# KiCad board HW.ACIM-PSU.kicad_pcb (continued)
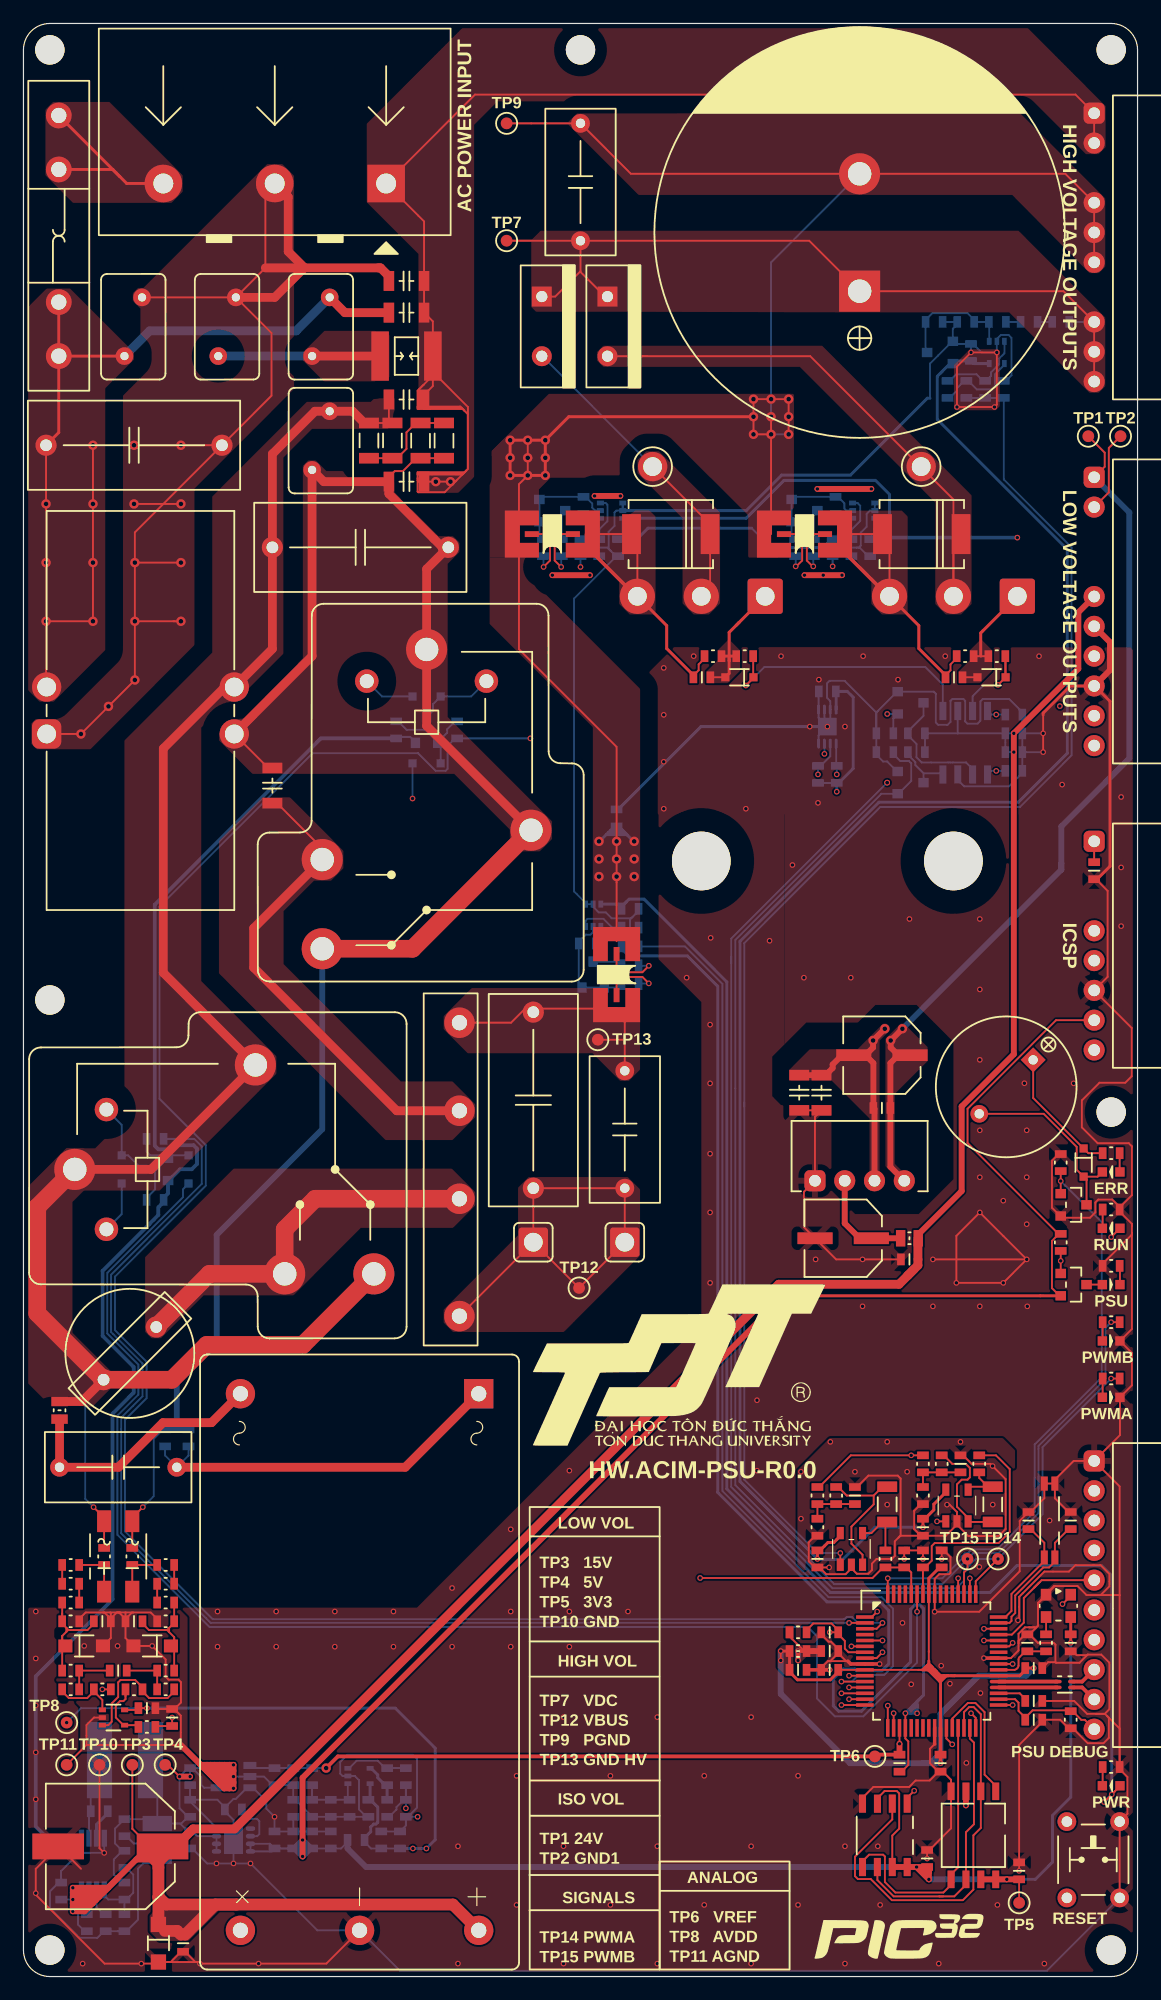
[diagram p0: board, top side]
## Routing (per net, layer and track width the routed paths; a pad name or vN(x,y) marks a point on that pad's centre or on a via; arc(x,y) is an arc through that point) (continued)
Net-(D12-COM): length 5.9
  Bottom w0.16: U7.4 48.4,124.24 48.03,124.62 C47.1 ; R34.1 45.9,124.6 D12.3 46.48,124.62 C47.1 ; C47.1 47.83,124.69
Net-(D13-A1): length 9.7
  Bottom w0.16: 47.35,88.19 C48.2 ; C48.2 47.35,88.17 47.95,88.77 48.35,88.77 48.58,88.99 U8.5 ; C48.2 47.35,84.54 D13.2 47.63,84.27 D13.1 50.7,84.27 R35.1
Net-(D13-COM): length 5.9
  Bottom w0.16: U8.4 49.23,88.64 48.8,88.22 C48.1 ; C48.1 48.73,88.09 ; C48.1 48.8,86.69 D13.3 50.7,86.47 R36.1
Net-(D16-A1): length 9.5
  Bottom w0.16: R55.1 65.5,122.77 D16.1 65.5,125.84 D16.2 65.72,126.07 C60.2 69.45,126.07 70,125.52 70,125.07 70.18,124.89 U10.5
Net-(D16-COM): length 5.9
  Bottom w0.16: U10.4 69.88,124.24 69.5,124.62 C60.1 ; 69.33,124.69 C60.1 ; C60.1 67.98,124.62 D16.3 67.4,124.6 R56.1
Net-(D17-COM): length 10.5
  Bottom w0.16: U11.1 82.35,140.95 R65.2 R66.1 81.08,141.15 80.5,141.72 77.5,141.72 76.93,141.15 C66.1 76.93,138.5 D17.3
Net-(D18-PadK): length 1.6
  Top w0.16: R77.2 93.5,60.53 D18.K
Net-(D20-PadA): length 1.6
  Top w0.16: D20.A 93.47,68.58 R78.1
Net-(D21-PadK): length 1.6
  Top w0.16: R80.1 92.02,63.78 D21.K
Net-(D22-PadK): length 1.6
  Top w0.16: D22.K 92.02,16.28 R81.1
Net-(D23-PadA): length 1.6
  Top w0.16: R84.1 92.02,49.38 D23.A
Net-(D24-PadA): length 1.6
  Top w0.16: R85.1 92.03,54.18 D24.A
Net-(F1-Pad1): length 16.8
  Top w0.25: 8.22,153.36 F1.1 ; 8.22,153.36 7.61,153.96 F1.1 ; 8.22,153.36 8.81,152.77 J1.3
Net-(G1-Pad2): length 13.8
  Top w0.75: G1.2 M3.1
  Bottom w0.75: M3.1 M2.1
Net-(MD1-ACL): length 22.1
  Top w0.75: MD1.2 16.04,47.19 11.9,47.19 8.1,43.39 C1.2 L1.2
Net-(MD1-ACN): length 32.7
  Top w0.75: C1.1 32.56,43.39 MD1.1
  Bottom w0.16: R1.1 12.08,44.39 C1.1 14.08,44.39 R2.1
Net-(MD2-VI+): length 8.9
  Top w0.16: C10.+ 71.3,62.9
  Top w0.5: MD2.2 70.03,64.17 71.3,62.9 ; L2.2 C10.+
Net-(Q1-D): length 6.7
  Bottom w0.16: Q1.3 34.93,107.87 34.93,108.42 D3.A 38.18,109.07 RL1.1
Net-(Q1-G): length 8.7
  Bottom w0.16: R10.2 36.8,106.94 36.13,106.27 36.13,105.97 35.33,105.17 ; 35.33,105.17 Q1.1 35.58,104.87 D2.A ; 35.33,105.17 34.28,106.22 32.68,106.22 31.95,106.94 R11.1
Net-(Q2-D): length 6.7
  Bottom w0.16: Q2.3 8.93,69.97 D5.A 8.38,72.57 RL2.1
Net-(Q2-G): length 9.3
  Bottom w0.16: D4.A 12.58,69.97 Q2.1 12.28,69.72 ; 12.28,69.72 12.01,69.98 10.8,69.98 10.5,70.28 R12.2 ; 12.28,69.72 11.23,68.67 11.23,67.07 10.5,66.34 R13.1
Net-(Q3-D): length 26.7
  Top w0.16: Q3.2 58.55,118.34 D7.K 58.55,123.74 J9.1 ; D8.A 44.24,138.05
  Bottom w0.16: 44.24,138.05 J9.1
Net-(Q3-G): length 11.6
  Top w0.16: C36.2 D6.A
  Top w0.25: 61.01,115.36 Q3.1 ; 61.01,115.36 60.78,115.12 ; 61.01,115.36 60.18,114.52 60.18,112.09 ; 60.18,112.09 60.18,112.49 ; 60.18,112.09 60.18,111.02 D6.A ; 60.18,112.49 R18.1 ; 60.18,112.49 R17.1
Net-(Q3-S): length 36.6
  Top w0.16: Q3.3 52.35,122.39 D7.A R19.2 ; Q3.3 47.95,121.99 R19.2 ; Q3.3 52.15,117.59 47.95,121.79 R19.2 ; C36.1 57.13,110.84 57.58,111.29 57.58,111.79 58.08,112.29 R18.2 ; R19.2 47.95,124.64
  Top w0.25: C36.1 57.13,110.87 54.85,113.14 54.85,115.09 Q3.3
Net-(Q4-D): length 11.2
  Bottom w0.16: Q4.3 76.75,107.42 75.43,106.09 R21.2 75.43,105.74 76.15,105.02 76.15,103.87 76.58,103.44 80.38,103.44 80.94,102.88 U5.2
Net-(Q5-D): length 4.8
  Bottom w0.16: R23.2 75.43,104.09 76.05,103.47 76.05,103.22 76.75,102.52 ; U5.4 78.3,102.52 76.75,102.52 ; 76.75,102.52 Q5.3
Net-(Q6-D): length 48.8
  Top w0.16: D10.K 79.3,122.25 Q6.2 79.3,125.84 67.09,138.05 52.8,138.05 ; 52.8,138.05 D11.A ; 52.8,138.05 53.22,138.05
Net-(Q6-G): length 8.9
  Top w0.16: R25.1 R27.1 ; D9.A C40.2
  Top w0.25: Q6.1 81.63,114.47 81.63,112.49
Net-(Q6-S): length 36.5
  Top w0.16: Q6.3 69.45,122 R28.2 ; Q6.3 73.65,117.59 69.45,121.8 R28.2 ; Q6.3 73.85,122.29 D10.A R28.2 ; R28.2 69.45,124.69 69.5,124.74 ; C40.1 78.63,110.87 79.05,111.29 79.05,111.79 79.58,112.32 R27.2
  Top w0.25: 78.63,110.87 76.35,113.14 76.35,115.09 Q6.3
Net-(Q7-D): length 1.4
  Top w0.16: D18.A Q7.3
Net-(R4-Pad1): length 8.5
  Top w0.16: R8.1 33.46,132.36 32.66,131.56 32.66,130.16 31.86,129.36 R7.1 R4.1
Net-(R37-Pad2): length 1.6
  Top w0.16: R37.2 R39.1
Net-(R38-Pad2): length 1.6
  Top w0.16: R40.1 R38.2
Net-(R39-Pad2): length 1.6
  Top w0.16: R39.2 R41.1
Net-(R40-Pad2): length 1.6
  Top w0.16: R42.1 11.4,33.47
Net-(R63-Pad2): length 1.3
  Bottom w0.16: R63.2 R64.1
Net-(R64-Pad2): length 1.3
  Bottom w0.16: R64.2 R65.1
Net-(U1-BOOST): length 2.7
  Bottom w0.16: 7.19,13.91 C13.2
  Bottom w0.25: 7.19,13.91 6.24,12.96 U1.7
Net-(U1-EN): length 2.1
  Bottom w0.16: R3.1 5.59,5.48 U1.3
Net-(U1-SW): length 7
  Bottom w0.16: L3.1 5.74,17.69 C13.1 5.59,13.93 U1.6
Net-(U1-VCC): length 2.5
  Bottom w0.16: C8.2 6.84,5.31 6.24,5.91 U1.2
Net-(U1-VFB): length 7.1
  Bottom w0.16: R5.1 R6.2 ; R5.1 8.79,6.56 9.36,7.13 9.36,8.69 8.79,9.26 C32.1 ; R5.1 7.24,6.56 6.89,6.91 U1.1
Net-(U2-CDELAY): length 3.9
  Bottom w0.16: U2.6 19.94,11.96 20.11,12.13 20.11,13.23 19.91,13.44 19.25,13.44 18.64,14.05 C24.2
Net-(U6-VIN+): length 5.9
  Bottom w0.16: R29.1 R30.2 C46.2 27.66,15.21 U6.1
Net-(U6-VIN-): length 5.5
  Bottom w0.16: R46.1 C52.1 30.84,17.76 30.21,18.38 28.41,18.38 27.76,17.73 U6.3
Net-(U6-VOUT): length 3.4
  Bottom w0.16: 29.66,17.73 U6.4 ; C52.2 30.84,16.31
  Bottom w0.25: 29.66,17.73 30.21,17.19 30.21,16.94 30.84,16.31 ; C52.2 R45.2
Net-(U7-OUT): length 4.1
  Bottom w0.16: U7.6 49.65,125.54 49.8,125.39 49.8,123.99 49.1,123.29 R47.1 49.28,122.47
Net-(U8-OUT): length 3.9
  Bottom w0.16: R48.1 50.2,89.37 49.45,90.12 48.1,90.12 47.93,89.94 U8.6
Net-(U9-VIN+): length 5.7
  Top w0.16: 6,24.29 R53.2 6,24.29 ; 6,24.29 6.73,23.57 U9.1 6.63,22.72 ; 6,24.29 5.44,23.73 3.87,23.73 3.3,24.29 R51.1
Net-(U9-VIN-): length 10.6
  Top w0.16: U9.3 7.23,21.42 7.53,21.72 7.53,23.27 8.08,23.82 8.08,25.07 8.28,25.27 9.53,25.27 10.15,24.64 R54.2 10.15,24.29 10.72,23.73 12.29,23.73 12.85,24.29 R52.1
Net-(U9-VOUT): length 5.3
  Top w0.16: 8.7,23.97 8.7,23.64 8.53,23.47 8.23,23.47 7.88,23.12 7.88,22.07 8.53,21.42 U9.4 9.65,21.42 R57.1 ; 8.7,23.97 R54.1 ; 8.7,23.97 8.7,23.84
Net-(U10-OUT): length 4.1
  Bottom w0.16: U10.6 71.13,125.54 71.35,125.32 71.35,124.02 70.6,123.27 R58.1 70.78,122.47
Net-(U11-VIN-): length 7.8
  Bottom w0.16: U11.3 83.65,138.3 83.2,137.85 83.2,137.37 82.5,136.67 82.5,136.37 82.08,135.95 R74.1 81.83,135.95 81.26,136.51 79.54,136.51 78.98,135.95 C70.1
Net-(U11-VOUT): length 7.4
  Bottom w0.16: U11.4 83.65,137.32 82.85,136.52 82.85,135.52 82.55,135.22 81.3,135.22 80.58,135.95 R73.2 80.23,135.95 79.6,135.32 79.6,135.12 78.98,134.5 C70.2
Net-(U12-VIN+): length 10.7
  Top w0.16: R69.2 80.6,38.73 U12.3 80.55,39.08 79.6,40.03 79.6,41.93 80,42.33 80.5,42.33 80.7,42.53 80.7,43.33 80.35,43.68 79.2,43.68 78.48,44.4 R67.1
Net-(U12-VOUT): length 4.1
  Top w0.16: R71.1 81.5,42.48 82.25,41.73 R69.1 80.8,41.73 U12.4
Net-(U13-VIN+): length 12
  Top w0.16: 72.5,40.98 73.25,41.73 R70.2 ; 72.5,40.98 70.2,40.98 69.48,41.7 R68.1 ; 72.5,40.98 72.5,40.23 70.6,38.33 70.6,36.88 71.55,35.93 U13.3
Net-(U13-VOUT): length 5
  Top w0.16: U13.4 72.3,37.78 73.25,38.73 R70.1 73.5,38.58 R72.1
Net-(U14-D+): length 5
  Top w0.32: FT5.1 U14.37
Net-(U14-D-): length 5
  Top w0.32: FT5.4 U14.36
Net-(U14-VDD1): length 86.7
  Top w0.16: 77.2,27.73 77.2,26.88 ; 77.2,27.73 U14.57 ; 77.2,27.73 77.2,27.63 ; 85.43,26.1 C82.2 ; 65.33,25.95 C86.2 ; 78.13,34.85 C78.2 ; 69.48,25.95 C85.2 U14.10 76.3,26.13 ; 76.3,26.13 76.7,26.13 ; 76.3,26.13 76.65,26.13 ; v1(64.58,27.73) v1(64.58,26.93)
  Top w0.25: 76.88,26.3 76.93,26.35 77.48,26.35 ; 76.88,26.3 77.05,26.48 ; 76.88,26.3 76.7,26.13 ; 77.48,26.35 77.43,26.4 ; 77.48,26.35 77.83,26 ; 77.43,26.4 77.2,26.63 ; 77.43,26.4 77.35,26.48 77.05,26.48 ; 78.85,25.63 78.7,25.63 78.2,25.13 ; 78.85,25.63 79.4,25.63 ; 78.85,25.63 78.5,25.63 ; 77.05,26.48 77.2,26.63 ; 77.2,26.63 77.2,26.88 ; 78.2,24.53 U14.26 ; 78.2,24.53 78.2,25.13 ; 78.2,24.53 78.2,24.63 ; 78.5,25.63 78.45,25.63 78.2,25.38 ; 78.5,25.63 78.2,25.63 ; 69.48,25.95 68.8,25.28 66,25.28 65.33,25.95 ; v1(86.15,26.28) C82.2 ; 78.2,25.13 78.15,25.13 77.15,26.13 ; 78.2,25.13 78.2,25.38 ; 78.2,25.38 77.45,26.13 77.25,26.13 ; 78.2,25.38 78.2,25.63 ; 77.83,26 78.2,25.63 ; 77.83,26 77.7,26.13 77.25,26.13 ; v1(64.58,27.73) FT6.2 C86.2 ; 77.25,26.13 77.15,26.13 ; 77.15,26.13 76.65,26.13 ; 79.4,25.63 79.2,25.63 ; 79.4,25.63 U14.38 84.95,25.63 85.43,26.1 ; U14.57 77.2,33.93 78.13,34.85
  Top w0.3: U14.26 C83.2 v1(78.2,18.18)
  In1.Cu w0.5: v1(64.58,27.73) v1(64.58,26.93)
  In2.Cu w0.5: v1(64.58,27.73) v1(64.58,26.93)
  Bottom w0.5: 78.2,18.68 78.2,18.58 77.8,18.18 ; 78.2,18.68 v1(78.2,18.18) 77.8,18.18 ; 78.2,18.68 78.2,19.03 ; 78.2,19.03 77.35,18.18 76.75,18.18 ; 78.2,19.03 78.2,22.38 81.45,25.63 85.5,25.63 v1(86.15,26.28) ; 76.75,18.18 70.48,18.18 64.58,24.08 v1(64.58,27.73) ; 76.75,18.18 77.8,18.18
Net-(U14-VUSB3V3): length 2.6
  Top w0.16: C79.2 85.43,23.65 84.95,24.13 U14.35
Net-(U17-CLKO): length 1.7
  Top w0.16: 87.38,29.15 R83.2 U17.3

## Copper pours and planes (outline as drawn; the poured copper is in the pictures)
+3V3 on Top: 68.35,28.23 68.35,27.23 66.75,27.23 66.2,26.68 65.95,26.68 65.8,26.83 65.8,28.33 65.35,28.78 65,28.78 64.95,28.83 64.95,29.83 65,29.88 65.65,29.88 65.7,29.83 65.7,28.73 66.2,28.23
+3V3 on Bottom: 18.96,11.51 18.96,10.46 27.68,10.46 28.01,10.8 28.01,12.11 27.96,12.16 27.31,12.16 26.66,11.51
+5V on Bottom: 16.86,10.46 16.01,10.46 14.61,11.86 10.46,11.86 9.41,12.91 8.46,12.91 7.96,12.41 7.96,11.41 8.16,11.21 9.11,11.21 9.21,11.11 9.21,10.31 9.01,10.11 8.11,10.11 7.96,9.96 7.96,8.71 8.21,8.46 9.06,8.46 9.16,8.36 9.16,7.66 9.11,7.61 8.11,7.61 7.41,8.31 7.41,13.16 9.71,15.46 9.71,21.66 9.76,21.71 11.91,21.71 12.06,21.56 12.06,19.81 13.56,18.31 17.06,18.31 17.11,18.26 17.11,17.71 17.09,17.69 15.84,17.69 15.76,17.61 15.76,16.46 15.81,16.41 17.06,16.41 17.11,16.36 17.11,15.81 17.06,15.76 15.56,15.76 15.06,16.26 15.06,16.76 15.01,16.81 13.61,16.81 13.51,16.71 13.51,14.36 13.86,14.01 14.71,14.01 15.81,12.91 15.81,12.31 15.96,12.16 16.86,12.16
+5V on Bottom: 71.7,122.79 71.7,122.14 72.72,122.14 73.15,122.57 75.6,122.57 75.6,122.67 73.82,124.45 72.3,124.45 72.3,123.39
+15V on Top: 10.76,5.19 10.76,3.83 11.56,3.03 14.06,3.03 16.76,5.73 16.76,5.88 11.46,5.88
+15V on Bottom: 2.71,6.89 2.71,6.11 4.91,3.93 4.91,3.51 5.91,3.51 5.96,3.56 5.96,4.16 5.91,4.21 5.01,4.21 4.76,4.46 4.76,5.71 5.21,6.16 5.21,8.11 5.16,8.16 4.41,8.16 3.16,6.91 2.74,6.91
+24V on Top: 75.11,67.8 75.11,68.43 74.3,69.23 74.3,75.2 77.1,78 77.1,79.19 75.1,81.19 74.8,81.19 73.5,79.88 73.5,69.03 74.73,67.8
AGND on Top, In1.Cu: 2.94,31.35 13.24,31.35 13.99,30.6 13.99,19.25 13.89,19.15 4.89,19.15 4.84,19.2 4.84,22.95 4.39,23.4 3.29,23.4 2.79,23.9 2.79,31.2
AGND on Top, In1.Cu: 83.1,138.64 83.25,138.5 83.25,133.79 82.9,133.44 79.5,133.44 79.35,133.59 79.35,137.29 80.7,138.64
AGND on Top, In1.Cu: 67.45,33.68 71.7,33.68 73.55,31.83 76.85,31.83 76.85,34.18 77.55,34.88 77.55,36.63 77.75,36.83 83.2,36.83 84.55,38.18 84.55,44.83 83.5,45.88 68.75,45.88 66,43.13 66,35.13
AGND on Bottom: 60.95,123.42 65.5,118.87 71.35,118.87 73.7,121.22 73.7,126.33 73.05,126.97 72.6,127.47 65,127.47
AGND on Bottom: 49.55,119.05 44.7,119.05 42.75,121 42.75,125.45 43.7,126.39 51.01,126.39 53.95,123.45 53.95,123.45
AGND on Bottom, In2.Cu: 76.65,141.47 79.95,141.47 79.95,140.32 80.3,139.97 84.05,139.97 84.7,139.32 84.7,133.92 84.15,133.37 76.05,133.37 76,133.42 76,140.82
AGND on Bottom, In2.Cu: 15.96,18.28 15.96,15.78 16.04,15.71 21.39,15.71 23.91,13.19 27.26,13.19 28.11,12.33 28.11,11.19 29.26,10.03 34.86,10.03 35.41,10.58 35.41,19.53 34.91,20.03 17.71,20.03
AGND on In1.Cu, In2.Cu: 43.7,126.39 42.75,125.45 42.75,121 44.7,119.05 49.55,119.05 51.45,120.95 51.45,125.94 51,126.39
AGND on In1.Cu, In2.Cu: 72.6,127.47 65,127.47 62.8,125.27 62.8,121.59 65.5,118.89 71.35,118.89 73.68,121.22 73.7,121.22 73.7,126.37
AVDD on Bottom: 82.55,137.72 82.55,137.12 82.43,137 78.74,137 78.69,137.05 78.69,137.8 78.89,138 82.27,138
GND on Top, Bottom, In1.Cu, In2.Cu: 64.9,79.43 66.75,81.28 71.15,81.28 72.65,82.78 76.15,82.78 79.4,79.53 79.5,79.63 79.5,99.38 65.05,99.38 64.9,99.23
GND on Top, Bottom, In1.Cu, In2.Cu: 64.6,74.25 68.9,74.25 68.9,66.98 70.92,64.96 76.33,64.96 79.3,67.93 79.3,74.23 79.3,74.23 79.3,113.25 94.39,113.25 95,112.63 95,3.25 91.73,-0.02 2.55,-0.02 0,2.53 0,30.93 0.5,31.43 33.55,31.43 57.8,55.68 57.8,83.03 54.15,86.68 54.15,99.08 54.45,99.38 64.75,99.38 64.9,99.23 64.9,79.43 63.85,78.38 63.85,75
GND on Top, Bottom, In1.Cu, In2.Cu: 87.38,100.92 85.48,99.02 49.98,99.02 49.78,99.22 49.78,107.57 55.48,113.27 81.73,113.27 87.38,107.62
GND1 on Top: 65.3,77.25 65.3,76.35 68.9,76.35 72.15,73.1 72.15,68.22 72.57,67.8 73,68.23 73,79.73 73.85,80.58 73.85,80.94 73.6,81.19 73.3,81.19 71.12,79 67.05,79
GND_HV on Top: 51.63,76.32 52.58,77.27 52.58,84.22 52.58,84.22 38.23,84.22 35.83,81.82 35.83,80.72 37.88,78.67 48.53,78.67 50.88,76.32
GND_HV on Bottom, In1.Cu, In2.Cu: 35.83,81.82 35.83,80.72 37.88,78.67 48.53,78.67 50.88,76.32 51.63,76.32 52.13,76.82 52.13,77.57 46.58,83.12 37.13,83.12
PGND on Top: 61.8,120.89 65.45,120.89 65.46,120.89 65.46,122.14 65.45,123.64 65.45,130.95 65.7,131.19 65.7,134.59 65.45,134.84 62.05,134.84 61.8,134.59
PGND on Top: 39.75,120.89 43.95,120.89 43.96,120.89 43.96,126.7 44.95,127.69 44.95,131.09 44.7,131.34 41.3,131.34 39.75,129.79
PGND on Top: 39.72,129.76 44.8,134.84 65.7,134.84 65.7,125.12 63.06,123.24 58.6,127.69 41.78,127.69
PGND on Top: 39.75,120.89 43.95,120.89 43.95,120.75 43.95,120.74 43.95,118.34 52.58,109.71 52.58,86.52 52.58,86.51 48.58,86.51 48.55,86.54 48.55,106.44 39.75,115.24
PGND on Top: 41.45,157.99 46.7,157.99 46.7,157.79 41.45,157.79
PGND on Top, In1.Cu: 90.4,145.64 90.91,145.13 91.69,145.13 92.25,145.69 92.25,151.49 85,158.74 47.8,158.74 47.8,158.74 47.2,158.74 46.4,157.94 46.4,157.84 52.45,151.79 84.31,151.79
PGND on Bottom, In1.Cu, In2.Cu: 48.9,97.19 52.25,97.19 52.53,96.92 52.53,93.52 52.28,93.27 48.88,93.27 48.63,93.52 48.63,96.92
PGND on Bottom, In2.Cu: 61.8,131.19 62.05,130.94 65.45,130.94 65.7,131.19 65.7,145.39 73.1,152.79 73.1,154.34 72.05,155.39 70.55,155.39 61.8,146.64
PGND on Bottom, In2.Cu: 41.3,131.34 44.7,131.34 44.95,131.09 44.95,127.69 44.7,127.44 41.3,127.44 41.05,127.69 41.05,131.09
PGND on In1.Cu: 65.45,130.94 65.7,131.19 65.7,134.84 44.8,134.84 39.73,129.77 39.73,127.97 40.3,127.39 44.66,127.39 48.71,131.44 55.1,131.44 55.6,130.94
PGND on In1.Cu: 44.93,131.07 44.95,127.69 44.95,127.69 43.98,126.72 43.98,118.32 52.53,109.77 52.53,96.42 48.63,96.42 48.63,104.82 39.73,113.72 39.73,129.77 41.05,131.09 41.05,131.09
VBUS on Top, Bottom, In1.Cu, In2.Cu: 46.08,54.92 52.58,61.42 52.58,67.07 51.53,68.12 43.08,68.12 42.18,67.22 42.18,63.17 35.83,56.82 35.83,55.72 36.63,54.92
/MCU/PFC_VREF on Bottom: 30.51,13.94 30.51,13.29 31.51,13.29 31.71,13.49 31.71,13.96 31.81,14.06 32.71,14.06 33.16,14.51 33.16,16.61 33.11,16.66 32.11,16.66 32.06,16.61 32.06,14.81 31.21,13.96 30.54,13.96
AC1 on Top: 7.83,50.5 7.83,51.2 4.18,54.85 4.18,66 6.18,68 6.18,69.55 5.13,70.6 3.68,70.6 0.33,67.25 0.33,50.6 2.38,48.55 5.88,48.55
AC1 on Top: 26.11,131.86 32.31,131.86 32.36,131.91 32.36,132.81 31.66,133.51 31.66,135.21 31.61,135.26 30.71,135.26 29.61,134.16 25.81,134.16 25.26,133.61 25.26,132.71
AC1 on Top, In1.Cu: 26.11,134.16 24.16,134.16 16.1,126.1 16.1,112.8 8.61,105.31 8.61,73.06 6.11,70.56 3.66,70.56 2.61,69.51 2.61,68.01 3.66,66.96 11.61,66.96 21.56,76.91 21.56,78.41 15.16,84.81 15.16,106.41 17.31,108.56 18.51,108.56 22.16,112.21 22.16,129.41 24.61,131.86 26.11,131.86
AC2 on Top, In1.Cu: 19.53,102.47 36.73,102.47 41.48,97.72 41.48,96.92 42.53,95.87 44.03,95.87 45.08,96.92 45.08,98.42 36.18,107.32 36.18,120.37 37.18,121.37 37.18,122.17 36.63,122.72 35.38,122.72 31.61,126.48 31.61,128.21 31.56,128.27 25.83,128.27 24.93,129.17 24.28,129.17 23.83,128.72 23.83,112.32 18.68,107.17 17.43,107.17 16.68,106.42 16.68,105.32
CHASSIS on Top, Bottom, In1.Cu, In2.Cu: 29.28,151.17 33.68,146.77 33.68,135.32 33.53,135.17 33.53,133.52 33.58,133.47 37.43,133.47 37.78,133.12 37.78,128.47 37.58,128.27 33.77,128.27 33.71,128.21 33.71,126.48 33.78,126.42 37.08,126.42 38.43,127.77 38.43,157.77 40.43,159.77 84.93,159.77 89.43,155.27 91.68,155.27 92.28,155.87 92.28,159.37 85.38,166.27 37.68,166.27 29.28,157.87
VDC on Top: 41.25,147.99 46.5,147.99 46.5,147.79 41.25,147.79
VDC on Top, In1.Cu: 90.9,134.94 91.7,134.94 92.25,135.49 92.25,141.34 84.85,148.74 44.1,148.74 43.3,147.94 43.3,142.24 43.7,141.84 50.3,141.84 69.45,141.79 84.05,141.79
VDC on Bottom, In2.Cu: 43.3,142.24 43.7,141.84 50.41,141.84 50.8,142.23 50.8,145.83 47.9,148.73 47.1,148.73 43.3,144.93
VREF on Bottom: 18.76,18.28 18.76,17.69 18.79,17.66 20.64,17.66 20.99,17.31 25.96,17.31 26.26,17.61 26.26,17.96 25.81,18.41 18.89,18.41
Net-(BR1-AC1) on Top, In1.Cu: 11.72,54.39 15.37,58.04 23.02,58.04 28.77,63.79 36.62,63.79 38.52,65.69 38.52,66.84 36.52,68.84 17.92,68.84 10.37,61.29 10.37,54.94 10.92,54.39
Net-(BR1-AC2) on Top, In1.Cu: 38.53,74.32 36.58,76.27 32.18,76.27 22.18,86.27 22.18,90.77 24.78,93.37 26.23,93.37 27.28,94.42 27.28,95.92 22.73,100.47 20.38,100.47 16.63,96.72 16.63,85.52 30.88,71.27 36.58,71.27 38.53,73.22
Net-(C2-Pad1) on Top, In1.Cu: 0.68,105.02 1.13,104.57 5.72,104.57 14.58,113.44 14.58,126.77 23.08,135.27 23.08,153.42 22.08,154.42 20.78,154.42 10.23,143.87 9.78,143.87 9.33,143.42 9.33,142.77 9.98,142.12 9.98,137.37 8.49,135.88 8.49,113.38 2.28,107.17 1.08,107.17 0.68,106.77
Net-(C2-Pad1) on Bottom, In2.Cu: 0.68,105.02 1.13,104.57 5.73,104.57 14.58,113.42 14.58,126.77 17.88,130.07 17.88,130.87 17.33,131.42 9.73,131.42 8.48,130.17 8.48,113.37 2.28,107.17 1.08,107.17 0.68,106.77
Net-(C2-Pad1) on Bottom, In2.Cu: 9.31,142.76 9.81,142.26 18.46,142.26 23.06,146.86 23.06,153.46 22.11,154.41 20.71,154.41 10.16,143.86 9.76,143.86 9.31,143.41
Net-(C2-Pad2) on Top, Bottom, In1.Cu, In2.Cu: 2.53,108.57 6.98,113.02 6.98,135.32 9.43,137.77 9.43,138.37 3.98,143.82 1.98,143.82 0.08,141.92 0.08,109.92 1.43,108.57
Net-(C2-Pad2) on Bottom, In2.Cu: 25.81,143.86 22.71,140.76 5.96,140.76 5.96,137.81 6.81,136.96 8.62,136.96 11.47,139.81 23.96,139.81 26.91,142.76 26.91,143.36 26.41,143.86
Net-(F1-Pad1) on Top, Bottom, In1.Cu, In2.Cu: 13.58,153.47 7.33,159.72 2.53,159.72 1.88,159.07 1.88,153.47 4.23,151.12 12.63,151.12 13.58,152.07
Net-(G1-Pad2) on Top: 23.81,137.71 25.61,135.91 31.16,135.91 31.21,135.96 31.21,140.16 31.16,140.21 25.66,140.21 23.81,138.36
Net-(G1-Pad2) on Bottom, In2.Cu: 16.31,138.86 15.81,138.36 15.81,137.76 16.31,137.26 24.91,137.26 25.41,137.76 25.41,138.36 24.91,138.86
Net-(MD1-ACN) on Bottom: 13.43,42.54 14.63,43.74 14.63,45.49 14.58,45.54 11.58,45.54 11.53,45.49 11.53,43.74 12.73,42.54
Net-(Q3-D) on Top, In1.Cu: 58.45,116.04 59.4,116.99 59.4,124.74 54.2,129.94 53.1,129.94 52.35,129.19 52.35,128.09 56.2,124.24 56.2,116.99 57.15,116.04
Net-(Q3-D) on Bottom, In2.Cu: 54.2,127.34 54.95,128.09 54.95,129.19 45.2,138.94 43.85,138.94 43.3,138.39 43.3,137.14 53.1,127.34
Net-(Q3-G) on Top: 58.25,111.19 58.25,110.19 60.05,110.19 61.1,111.24 61.1,112.99 60.15,113.94 59.2,112.99 59.2,112.14
Net-(Q3-S) on Top: 53.9,116.04 53.9,124.39 53.4,124.89 48.3,124.89 48.3,121.75 50.8,119.25 50.8,116.94 51.7,116.04
Net-(Q6-D) on Top, In1.Cu: 79.95,116.04 80.85,116.94 80.85,126.19 68.1,138.94 49.45,138.94 48.9,138.39 48.9,137.69 49.45,137.14 66.2,137.14 77.75,125.59 77.75,116.94 78.65,116.04
Net-(Q6-G) on Top: 79.75,111.19 79.75,110.19 81.55,110.19 82.6,111.24 82.6,112.99 81.65,113.94 80.7,112.99 80.7,112.14
Net-(Q6-S) on Top: 75.4,116.04 75.4,124.39 74.9,124.89 69.8,124.89 69.8,121.75 72.3,119.25 72.3,116.94 73.2,116.04
Net-(U1-SW) on Bottom: 5.36,11.06 5.81,11.06 5.81,13.31 6.11,13.61 6.11,14.66 6.61,15.16 7.61,15.16 7.61,21.66 7.56,21.71 5.41,21.71 5.36,21.66
Net-(U14-VDD1) on Top: 65.65,28.23 65.65,25.63 65,25.63 64.3,26.33 64.3,27.85 64.68,28.23

## Text on the board
F.Silkscreen: HW.ACIM-PSU-R0.0 | LOW VOL / TP3   15V / TP4   5V / TP5   3V3 / TP10 GND / HIGH VOL / TP7   VDC / TP12 VBUS / TP9   PGND / TP13 GND HV / ISO VOL / TP1 24V / TP2 GND1 / SIGNALS / TP14 PWMA / TP15 PWMB | ANALOG / TP6   VREF / TP8   AVDD / TP11 AGND
